# Allegro board 1140022-KU060_PCIE_FIBER_BOARD_V001_pcb166_20240120_1835_pcb.brd (continued)
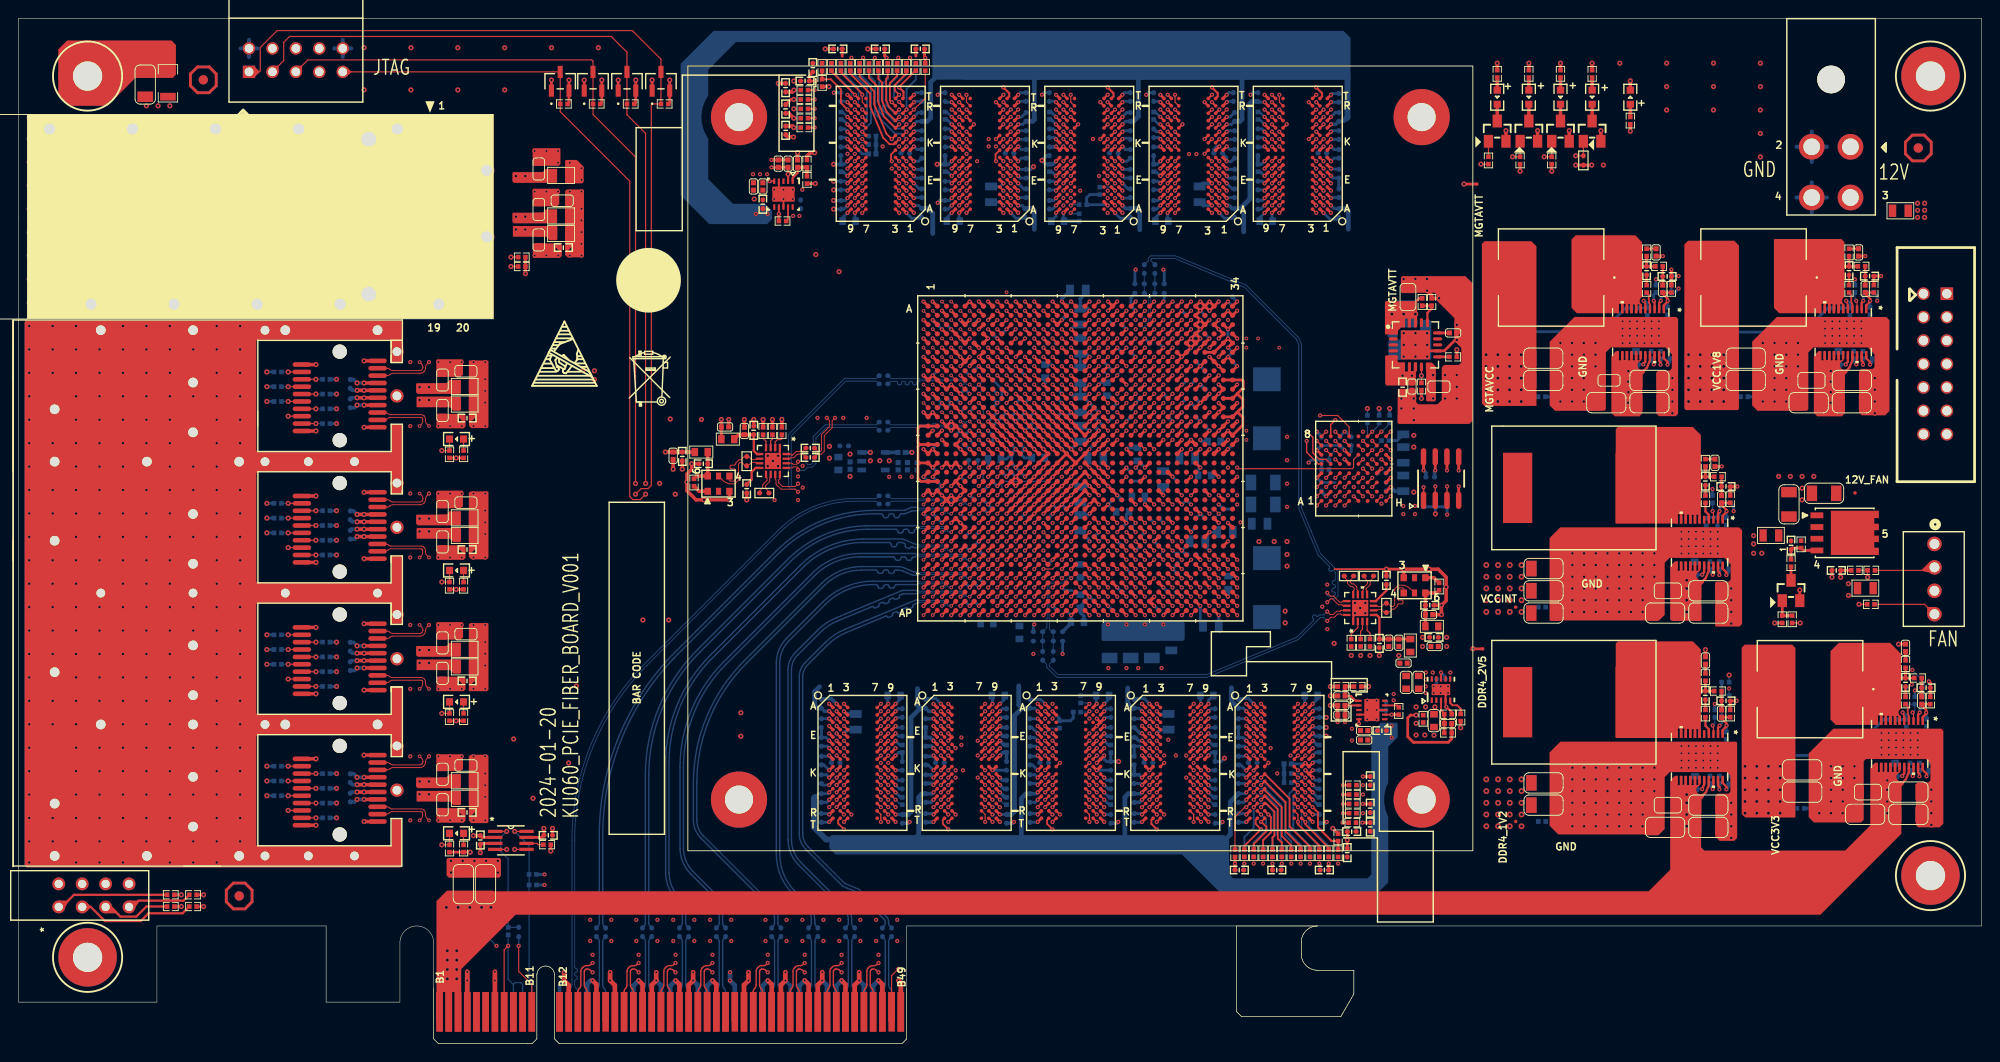
[diagram p0: board, top side]
## Nets (continued)
VCC3V3: C8.1 C9.1 C10.1(CAP2) C11.1(CAP2) C353.1 C354.1(CAP2) C375.1 C376.1(CAP2) C1219.2(CAP1) C1275.1 C1276.1 C1373.1(CAP2) C1374.1 C1375.1 C1392.1 C1421.1(CAP2) C1422.1 C1478.1(CAP2) C1491.1(CAP2) C1534.1(CAP2) C1535.1(CAP2) C1536.1(CAP2) C1537.1(CAP2) C1539.2(CAP1) C1565.1 C1566.1(CAP2) C1571.1 C1572.1(CAP2) C2506.1 C2507.1(CAP2) C2513.1(CAP2) D5.5 D5.6 D5.7 D5.8 J19.1 L4.1 L5.1 L6.1 L12.1 L13.1 L144.2 L150.2 L229.1 L230.1 L231.1 L232.1 L234.2 L235.1 L236.1 L238.1 L239.1 L240.1 R9.1 R24.2 R35.1 R36.1 R163.1 R164.1 R167.1 R168.1 R173.1 R174.1 R175.1 R176.1 R177.1 R178.1 R179.2 R180.1 R181.1 R250.1 R626.1 R902.2 R903.1 R1009.2 R1010.1 R1011.1 R1012.1 R1013.1 R1014.1 R1015.1 R1016.1 R1017.1 R1018.2 R1019.1 R1020.1 R1021.1 R1022.1 R1023.1 R1024.1 R1025.1 R1026.1 R1242.1 R1256.2 R1266.2 R1267.1 R1268.1 R1269.1 R1270.1 R1271.1 R1272.1 R1273.1 R1274.1 TP162.1(PIN1) U1.AF11(VCCO_64_1) U1.AG8(VCCO_64_2) U1.AJ12(VCCO_64_3) U1.AK9(VCCO_64_4) U1.AM13(VCCO_64_5) U1.AN10(VCCO_64_6) U110.10(BIAS) U117.6(SS_CTRL) U117.7(EN) U117.9(IN) U117.10(IN_1) U154.7(VCCB)
VCC12V: C1189.1(CAP2) C1193.1(CAP2) C1194.1(CAP2) C1195.1(CAP2) C1196.1(CAP2) C1197.1(CAP2) C1215.1(CAP2) C1221.1(CAP2) C1222.1(CAP2) C1223.1(CAP2) C1224.1(CAP2) C1241.1(CAP2) C1245.1(CAP2) C1246.1(CAP2) C1247.1(CAP2) C1248.1(CAP2) C1249.1(CAP2) C1251.1(CAP2) C1255.1(CAP2) C1256.1(CAP2) C1257.1(CAP2) C1258.1(CAP2) C1259.1(CAP2) C1261.1(CAP2) C1265.1(CAP2) C1266.1(CAP2) C1267.1(CAP2) C1268.1(CAP2) C1269.1(CAP2) C2502.1(CAP2) C2505.1(CAP2) L48.1 L237.2 R588.1 R701.1 TP175.1(PIN1) U108.12(VIN) U108.13(VIN_1) U108.14(VIN_2) U108.15(VIN_3) U108.16(VIN_4) U108.17(VIN_5) U108.19(VDD) U111.12(VIN) U111.13(VIN_1) U111.14(VIN_2) U111.15(VIN_3) U111.16(VIN_4) U111.17(VIN_5) U111.19(VDD) U114.12(VIN) U114.13(VIN_1) U114.14(VIN_2) U114.15(VIN_3) U114.16(VIN_4) U114.17(VIN_5) U114.19(VDD) U115.12(VIN) U115.13(VIN_1) U115.14(VIN_2) U115.15(VIN_3) U115.16(VIN_4) U115.17(VIN_5) U115.19(VDD) U116.12(VIN) U116.13(VIN_1) U116.14(VIN_2) U116.15(VIN_3) U116.16(VIN_4) U116.17(VIN_5) U116.19(VDD) U249.A2(+12V_4) U249.A3(+12V_5) U249.B1(+12V_1) U249.B2(+12V_2) U249.B3(+12V_3)
VCC12VIN: J59.1(POWER#1) J59.3(POWER#3) L237.1
VCC_1V8_EN: R654.1 U115.2(EN)
VCC_1V8_GOOD: R645.2 R657.2 R849.2 U115.3(PGOOD)
VCC_3V3_EN: R657.1 U116.2(EN)
VCC_3V3_GOOD: R655.2 R661.2 R987.2 U116.3(PGOOD)
156_25M_N: R1284.2 U131.7(IN0_N) X3.5(CLKN)
156_25M_P: R1284.1 U131.6(IN0_P) X3.4(CLKP)
CHA_12V_FAN: C552.1(CAP2) J63.1(P1) Q8.5 Q8.6 Q8.7 Q8.8 TP39.1(PIN1)
CHA_AGND: C1.2(CAP1) C3.2(CAP1) L152.2 U1.U11(GNDADC) U1.V11(VREFN) U1.W12(VREFP)
CHA_BPI_FLASH_A0: TP123.1(PIN1) U1.T24(IO_L16P_T2U_N6_QBC_AD3P_A00_D16) U2.A1
CHA_BPI_FLASH_A1: U1.T25(IO_L16N_T2U_N7_QBC_AD3N_A01_D17) U2.B1(A2)
CHA_BPI_FLASH_A2: U1.T27(IO_L15P_T2L_N4_AD11P_A02_D18_65) U2.C1(A3)
CHA_BPI_FLASH_A3: U1.R27(IO_L15N_T2L_N5_AD11N_A03_D19_65) U2.D1(A4)
CHA_BPI_FLASH_A4: U1.P24(IO_L14P_T2L_N2_GC_A04_D20_65) U2.D2(A5)
CHA_BPI_FLASH_A5: U1.P25(IO_L14N_T2L_N3_GC_A05_D21_65) U2.A2(A6)
CHA_BPI_FLASH_A6: U1.P26(IO_L13P_T2L_N0_GC_QBC_A06_D22_6) U2.C2(A7)
CHA_BPI_FLASH_A7: U1.N26(IO_L13N_T2L_N1_GC_QBC_A07_D23_6) U2.A3(A8)
CHA_BPI_FLASH_A8: U1.N24(IO_L12P_T1U_N10_GC_A08_D24_65) U2.B3(A9)
CHA_BPI_FLASH_A9: U1.M24(IO_L12N_T1U_N11_GC_A09_D25_65) U2.C3(A10)
CHA_BPI_FLASH_A10: U1.M25(IO_L11P_T1U_N8_GC_A10_D26_65) U2.D3(A11)
CHA_BPI_FLASH_A11: U1.M26(IO_L11N_T1U_N9_GC_A11_D27_65) U2.C4(A12)
CHA_BPI_FLASH_A12: U1.L22(IO_L10P_T1U_N6_QBC_AD4P_A12_D28) U2.A5(A13)
CHA_BPI_FLASH_A13: U1.K23(IO_L10N_T1U_N7_QBC_AD4N_A13_D29) U2.B5(A14)
CHA_BPI_FLASH_A14: U1.L25(IO_L9P_T1L_N4_AD12P_A14_D30_65) U2.C5(A15)
CHA_BPI_FLASH_A15: U1.K25(IO_L9N_T1L_N5_AD12N_A15_D31_65) U2.D7(A16)
CHA_BPI_FLASH_A16: U1.L23(IO_L8P_T1L_N2_AD5P_A16_65) U2.D8(A17)
CHA_BPI_FLASH_A17: U1.L24(IO_L8N_T1L_N3_AD5N_A17_65) U2.A7(A18)
CHA_BPI_FLASH_A18: U1.M27(IO_L7P_T1L_N0_QBC_AD13P_A18_65) U2.B7(A19)
CHA_BPI_FLASH_A19: U1.L27(IO_L7N_T1L_N1_QBC_AD13N_A19_65) U2.C7(A20)
CHA_BPI_FLASH_A20: U1.J23(IO_L6P_T0U_N10_AD6P_A20_65) U2.C8(A21)
CHA_BPI_FLASH_A21: U1.H24(IO_L6N_T0U_N11_AD6N_A21_65) U2.A8(A22)
CHA_BPI_FLASH_A22: U1.J26(IO_L5P_T0U_N8_AD14P_A22_65) U2.G1(A23)
CHA_BPI_FLASH_A23: U1.H26(IO_L5N_T0U_N9_AD14N_A23_65) U2.H8(A24)
CHA_BPI_FLASH_A24: U1.J24(IO_L4P_T0U_N6_DBC_AD7P_A24_65) U2.B6(A25)
CHA_BPI_FLASH_A25: U1.J25(IO_L4N_T0U_N7_DBC_AD7N_A25_65) U2.B8(A26)
CHA_BPI_FLASH_A26: U1.K26(IO_L3P_T0L_N4_AD15P_A26_65) U2.H1(A27)
CHA_BPI_FLASH_ADV_B: R28.2 TP134.1(PIN1) U1.N27(IO_T2U_N12_CSI_ADV_B_65) U2.F6(ADV_B)
CHA_BPI_FLASH_CE_B: R26.2 U1.U7(RDWR_FCS_B_0) U2.B4(CE_B)
CHA_BPI_FLASH_CLK: R2.1 TP127.1(PIN1) U2.E6(CLK)
CHA_BPI_FLASH_D0: U1.AC7(D00_MOSI_0) U2.F2(DQ0)
CHA_BPI_FLASH_D1: U1.AB7(D01_DIN_0) U2.E2(DQ1)
CHA_BPI_FLASH_D2: U1.AA7(D02_0) U2.G3(DQ2)
CHA_BPI_FLASH_D3: U1.Y7(D03_0) U2.E4(DQ3)
CHA_BPI_FLASH_D4: TP124.1(PIN1) U1.M20(IO_L22P_T3U_N6_DBC_AD0P_D04_65) U2.E5(DQ4)
CHA_BPI_FLASH_D5: U1.L20(IO_L22N_T3U_N7_DBC_AD0N_D05_65) U2.G5(DQ5)
CHA_BPI_FLASH_D6: U1.R21(IO_L21P_T3L_N4_AD8P_D06_65) U2.G6(DQ6)
CHA_BPI_FLASH_D7: U1.R22(IO_L21N_T3L_N5_AD8N_D07_65) U2.H7(DQ7)
CHA_BPI_FLASH_D8: U1.P20(IO_L20P_T3L_N2_AD1P_D08_65) U2.E1(DQ8)
CHA_BPI_FLASH_D9: U1.P21(IO_L20N_T3L_N3_AD1N_D09_65) U2.E3(DQ9)
CHA_BPI_FLASH_D10: U1.N22(IO_L19P_T3L_N0_DBC_AD9P_D10_65) U2.F3(DQ10)
CHA_BPI_FLASH_D11: U1.M22(IO_L19N_T3L_N1_DBC_AD9N_D11_65) U2.F4(DQ11)
CHA_BPI_FLASH_D12: U1.R23(IO_L18P_T2U_N10_AD2P_D12_65) U2.F5(DQ12)
CHA_BPI_FLASH_D13: U1.P23(IO_L18N_T2U_N11_AD2N_D13_65) U2.H5(DQ13)
CHA_BPI_FLASH_D14: U1.R25(IO_L17P_T2U_N8_AD10P_D14_65) U2.G7(DQ14)
CHA_BPI_FLASH_D15: U1.R26(IO_L17N_T2U_N9_AD10N_D15_65) U2.E7(DQ15)
CHA_BPI_FLASH_OE_B: R27.2 TP125.1(PIN1) U1.G25(IO_L2P_T0L_N2_FOE_B_65) U2.F8(OE_B)
CHA_BPI_FLASH_RST_B: R1.1 U2.D4(RST_B)
CHA_BPI_FLASH_WAIT: R31.2 U1.H23(IO_T0U_N12_A28_65)
CHA_BPI_FLASH_WE_B: R30.2 TP126.1(PIN1) U1.G26(IO_L2N_T0L_N3_FWE_FCS2_B_65) U2.G8(WE_B)
CHA_DDR4_2V5: C167.1(CAP2) C168.1(CAP2) C193.1(CAP2) C194.1(CAP2) C207.1(CAP2) C208.1(CAP2) C209.1(CAP2) C210.1(CAP2) C241.2(CAP1) C253.1(CAP2) C254.1(CAP2) C258.1(CAP2) C259.1(CAP2) C284.1(CAP2) C285.1(CAP2) C298.1(CAP2) C299.1(CAP2) C300.1(CAP2) C301.1(CAP2) C332.2(CAP1) C344.1(CAP2) C345.1(CAP2) C1277.2(CAP1) C1278.1 C1279.1 R99.1 R146.1 R664.1 R667.1 R843.1 TP105.1(PIN1) U3.B1(VPP1) U3.R9(VPP2) U4.B1(VPP1) U4.R9(VPP2) U5.B1(VPP1) U5.R9(VPP2) U6.B1(VPP1) U6.R9(VPP2) U7.B1(VPP1) U7.R9(VPP2) U8.7(EN) U8.10(VIN) U9.B1(VPP1) U9.R9(VPP2) U10.B1(VPP1) U10.R9(VPP2) U11.B1(VPP1) U11.R9(VPP2) U12.B1(VPP1) U12.R9(VPP2) U13.B1(VPP1) U13.R9(VPP2) U14.7(EN) U14.10(VIN) U117.1(OUT) U117.2(OUT_1)
CHA_DDR4_C1_VREF: C181.1(CAP2) C195.1(CAP2) C211.1(CAP2) C212.1(CAP2) C255.1(CAP2) C256.1(CAP2) U3.M1(VREFCA) U4.M1(VREFCA) U5.M1(VREFCA) U6.M1(VREFCA) U7.M1(VREFCA) U8.6(REFOUT)
CHA_DDR4_C1_VTT: C236.1(CAP2) C237.1(CAP2) C238.1(CAP2) C239.1(CAP2) C240.1(CAP2) C242.1(CAP2) C244.1(CAP2) C245.1(CAP2) C246.1(CAP2) C247.1(CAP2) C248.1(CAP2) C249.1 C250.1 R80.1 R83.2 R84.2 R85.2 R86.2 R87.2 R88.2 R89.2 R90.2 R91.2 R92.2 R93.2 R94.2 R95.2 R96.2 R97.2 R98.2 R100.2 R102.2 R104.2 R105.2 R106.2 R107.2 R108.2 R110.2 R112.2 U8.3(VO) U8.5(VOSEN)
CHA_DDR4_C2_VREF: C272.1(CAP2) C286.1(CAP2) C302.1(CAP2) C303.1(CAP2) C346.1(CAP2) C347.1(CAP2) U9.M1(VREFCA) U10.M1(VREFCA) U11.M1(VREFCA) U12.M1(VREFCA) U13.M1(VREFCA) U14.6(REFOUT)
CHA_DDR4_C2_VTT: C327.1(CAP2) C328.1(CAP2) C329.1(CAP2) C330.1(CAP2) C331.1(CAP2) C333.1(CAP2) C335.1(CAP2) C336.1(CAP2) C337.1(CAP2) C338.1(CAP2) C339.1(CAP2) C340.1 C341.1 R126.1 R129.2 R130.2 R131.2 R132.2 R133.2 R134.2 R135.2 R136.2 R137.2 R138.2 R139.2 R140.2 R141.2 R142.2 R143.2 R144.2 R147.2 R148.2 R149.2 R151.2 R152.2 R153.2 R154.2 R156.2 R158.2 U14.3(VO) U14.5(VOSEN)
CHA_DDR4_CLK1_N_200M: C1378.2(CAP1) R49.1 R51.1 R53.2 TP131.1(PIN1) U1.AK16(IO_L12N_T1U_N11_GC_45)
CHA_DDR4_CLK1_P_200M: C1379.2(CAP1) R49.2 R50.1 R52.2 TP130.1(PIN1) U1.AK17(IO_L12P_T1U_N10_GC_45)
CHA_DDR4_CLK2_N_200M: C1380.2(CAP1) R60.1 R62.1 R64.2 U1.C24(IO_L12N_T1U_N11_GC_67)
CHA_DDR4_CLK2_P_200M: C1382.2(CAP1) R60.2 R61.1 R63.2 U1.D24(IO_L12P_T1U_N10_GC_67)
CHA_DEBUG_LED0: Q2.1(GATE) R38.2 U1.Y22(IO_T1U_N12_47)
CHA_DEBUG_LED1: Q3.1(GATE) R39.2 U1.U29(IO_T3U_N12_47)
CHA_FAN_FG: R250.2 R251.1 U1.AL8(IO_L24N_T3U_N11_64)
CHA_FAN_PWM: R778.1 U1.AK8(IO_L24P_T3U_N10_64)
CHA_FAN_PWREN: R245.2 U1.AJ8(IO_L23N_T3U_N9_64)
CHA_FPGA_CFGBVS: R6.1 U1.W7(CFGBVS_0)
CHA_FPGA_DDR4_C1_A0: R83.1 U1.AP15(IO_L6N_T0U_N11_AD6N_45) U3.P3(A0) U4.P3(A0) U5.P3(A0) U6.P3(A0) U7.P3(A0)
CHA_FPGA_DDR4_C1_A1: R84.1 U1.AP18(IO_L2N_T0L_N3_45) U3.P7(A1) U4.P7(A1) U5.P7(A1) U6.P7(A1) U7.P7(A1)
CHA_FPGA_DDR4_C1_A2: R85.1 U1.AN16(IO_L3N_T0L_N5_AD15N_45) U3.R3(A2) U4.R3(A2) U5.R3(A2) U6.R3(A2) U7.R3(A2)
CHA_FPGA_DDR4_C1_A3: R86.1 U1.AP16(IO_L6P_T0U_N10_AD6P_45) U3.N7(A3) U4.N7(A3) U5.N7(A3) U6.N7(A3) U7.N7(A3)
CHA_FPGA_DDR4_C1_A4: R87.1 U1.AJ14(IO_L16N_T2U_N7_QBC_AD3N_45) U3.N3(A4) U4.N3(A4) U5.N3(A4) U6.N3(A4) U7.N3(A4)
CHA_FPGA_DDR4_C1_A5: R88.1 U1.AN18(IO_L4P_T0U_N6_DBC_AD7P_45) U3.P8(A5) U4.P8(A5) U5.P8(A5) U6.P8(A5) U7.P8(A5)
CHA_FPGA_DDR4_C1_A6: R89.1 U1.AP14(IO_L1N_T0L_N1_DBC_45) U3.P2(A6) U4.P2(A6) U5.P2(A6) U6.P2(A6) U7.P2(A6)
CHA_FPGA_DDR4_C1_A7: R90.1 U1.AN19(IO_L2P_T0L_N2_45) U3.R8(A7) U4.R8(A7) U5.R8(A7) U6.R8(A7) U7.R8(A7)
CHA_FPGA_DDR4_C1_A8: R91.1 U1.AN14(IO_L1P_T0L_N0_DBC_45) U3.R2(A8) U4.R2(A8) U5.R2(A8) U6.R2(A8) U7.R2(A8)
CHA_FPGA_DDR4_C1_A9: R92.1 U1.AL19(IO_L8P_T1L_N2_AD5P_45) U3.R7(A9) U4.R7(A9) U5.R7(A9) U6.R7(A9) U7.R7(A9)
CHA_FPGA_DDR4_C1_A10: R93.1 U1.AK15(IO_L9P_T1L_N4_AD12P_45) U3.M3(A10/AP) U4.M3(A10/AP) U5.M3(A10/AP) U6.M3(A10/AP) U7.M3(A10/AP)
CHA_FPGA_DDR4_C1_A11: R94.1 U1.AH16(IO_L14P_T2L_N2_GC_45) U3.T2(A11) U4.T2(A11) U5.T2(A11) U6.T2(A11) U7.T2(A11)
CHA_FPGA_DDR4_C1_A12: R95.1 U1.AM17(IO_L3P_T0L_N4_AD15P_45) U3.M7(A12/BC_N) U4.M7(A12/BC_N) U5.M7(A12/BC_N) U6.M7(A12/BC_N) U7.M7(A12/BC_N)
CHA_FPGA_DDR4_C1_A13: R96.1 U1.AM19(IO_L8N_T1L_N3_AD5N_45) U3.T8(A13) U4.T8(A13) U5.T8(A13) U6.T8(A13) U7.T8(A13)
CHA_FPGA_DDR4_C1_ACT: R110.1 U1.AM16(IO_L5P_T0U_N8_AD14P_45) U3.L3(ACT_B) U4.L3(ACT_B) U5.L3(ACT_B) U6.L3(ACT_B) U7.L3(ACT_B)
CHA_FPGA_DDR4_C1_ALERT: R80.2 R81.2 U1.AG16(IO_L15N_T2L_N5_AD11N_45) U3.P9(ALERT_N) U4.P9(ALERT_N) U5.P9(ALERT_N) U6.P9(ALERT_N) U7.P9(ALERT_N)
CHA_FPGA_DDR4_C1_BA0: R97.1 U1.AG17(IO_L15P_T2L_N4_AD11P_45) U3.N2(BA0) U4.N2(BA0) U5.N2(BA0) U6.N2(BA0) U7.N2(BA0)
CHA_FPGA_DDR4_C1_BA1: R98.1 U1.AN17(IO_L4N_T0U_N7_DBC_AD7N_45) U3.N8(BA1) U4.N8(BA1) U5.N8(BA1) U6.N8(BA1) U7.N8(BA1)
CHA_FPGA_DDR4_C1_BG0: R100.1 U1.AL15(IO_L9N_T1L_N5_AD12N_45) U3.M2(BG0) U4.M2(BG0) U5.M2(BG0) U6.M2(BG0) U7.M2(BG0)
CHA_FPGA_DDR4_C1_CAS: R105.1 U1.AJ19(IO_T1U_N12_45) U3.M8(CAS_N/A15) U4.M8(CAS_N/A15) U5.M8(CAS_N/A15) U6.M8(CAS_N/A15) U7.M8(CAS_N/A15)
CHA_FPGA_DDR4_C1_CK_N: R114.1 U1.AL17(IO_L10N_T1U_N7_QBC_AD4N_45) U3.K8(CK_C) U4.K8(CK_C) U5.K8(CK_C) U6.K8(CK_C) U7.K8(CK_C)
CHA_FPGA_DDR4_C1_CK_P: R113.1 U1.AL18(IO_L10P_T1U_N6_QBC_AD4P_45) U3.K7(CK_T) U4.K7(CK_T) U5.K7(CK_T) U6.K7(CK_T) U7.K7(CK_T)
CHA_FPGA_DDR4_C1_CKE: R108.1 U1.AM14(IO_L7N_T1L_N1_QBC_AD13N_45) U3.K2(CKE) U4.K2(CKE) U5.K2(CKE) U6.K2(CKE) U7.K2(CKE)
CHA_FPGA_DDR4_C1_CS: R102.1 U1.AJ18(IO_L11P_T1U_N8_GC_45) U3.L7(CS_B) U4.L7(CS_B) U5.L7(CS_B) U6.L7(CS_B) U7.L7(CS_B)
CHA_FPGA_DDR4_C1_D0: U1.AF20(IO_L2P_T0L_N2_44) U3.G2(DQ0)
CHA_FPGA_DDR4_C1_D1: U1.AG22(IO_L6N_T0U_N11_AD6N_44) U3.F7(DQ1)
CHA_FPGA_DDR4_C1_D2: U1.AE20(IO_L3N_T0L_N5_AD15N_44) U3.H3(DQ2)
CHA_FPGA_DDR4_C1_D3: U1.AF22(IO_L6P_T0U_N10_AD6P_44) U3.H7(DQ3)
CHA_FPGA_DDR4_C1_D4: U1.AE22(IO_L5P_T0U_N8_AD14P_44) U3.H2(DQ4)
CHA_FPGA_DDR4_C1_D5: U1.AE23(IO_L5N_T0U_N9_AD14N_44) U3.H8(DQ5)
CHA_FPGA_DDR4_C1_D6: U1.AD20(IO_L3P_T0L_N4_AD15P_44) U3.J3(DQ6)
CHA_FPGA_DDR4_C1_D7: U1.AG20(IO_L2N_T0L_N3_44) U3.J7(DQ7)
CHA_FPGA_DDR4_C1_D8: U1.AG24(IO_L9P_T1L_N4_AD12P_44) U3.A3(DQ8)
CHA_FPGA_DDR4_C1_D9: U1.AJ24(IO_L11N_T1U_N9_GC_44) U3.B8(DQ9)
CHA_FPGA_DDR4_C1_D10: U1.AH22(IO_L12P_T1U_N10_GC_44) U3.C3(DQ10)
CHA_FPGA_DDR4_C1_D11: U1.AJ23(IO_L11P_T1U_N8_GC_44) U3.C7(DQ11)
CHA_FPGA_DDR4_C1_D12: U1.AH23(IO_L12N_T1U_N11_GC_44) U3.C2(DQ12)
CHA_FPGA_DDR4_C1_D13: U1.AG25(IO_L9N_T1L_N5_AD12N_44) U3.C8(DQ13)
CHA_FPGA_DDR4_C1_D14: U1.AF23(IO_L8P_T1L_N2_AD5P_44) U3.D3(DQ14)
CHA_FPGA_DDR4_C1_D15: TP7.1(PIN1) U1.AF24(IO_L8N_T1L_N3_AD5N_44) U3.D7(DQ15)
CHA_FPGA_DDR4_C1_D16: U1.AK22(IO_L14P_T2L_N2_GC_44) U4.G2(DQ0)
CHA_FPGA_DDR4_C1_D17: U1.AL20(IO_L15P_T2L_N4_AD11P_44) U4.F7(DQ1)
CHA_FPGA_DDR4_C1_D18: U1.AM20(IO_L15N_T2L_N5_AD11N_44) U4.H3(DQ2)
CHA_FPGA_DDR4_C1_D19: U1.AK23(IO_L14N_T2L_N3_GC_44) U4.H7(DQ3)
CHA_FPGA_DDR4_C1_D20: U1.AL22(IO_L17P_T2U_N8_AD10P_44) U4.H2(DQ4)
CHA_FPGA_DDR4_C1_D21: U1.AL23(IO_L17N_T2U_N9_AD10N_44) U4.H8(DQ5)
CHA_FPGA_DDR4_C1_D22: U1.AL24(IO_L18P_T2U_N10_AD2P_44) U4.J3(DQ6)
CHA_FPGA_DDR4_C1_D23: U1.AL25(IO_L18N_T2U_N11_AD2N_44) U4.J7(DQ7)
CHA_FPGA_DDR4_C1_D24: U1.AM22(IO_L20P_T3L_N2_AD1P_44) U4.A3(DQ8)
CHA_FPGA_DDR4_C1_D25: U1.AN23(IO_L24P_T3U_N10_44) U4.B8(DQ9)
CHA_FPGA_DDR4_C1_D26: U1.AN22(IO_L20N_T3L_N3_AD1N_44) U4.C3(DQ10)
CHA_FPGA_DDR4_C1_D27: U1.AP23(IO_L24N_T3U_N11_44) U4.C7(DQ11)
CHA_FPGA_DDR4_C1_D28: U1.AM24(IO_L21P_T3L_N4_AD8P_44) U4.C2(DQ12)
CHA_FPGA_DDR4_C1_D29: U1.AN24(IO_L21N_T3L_N5_AD8N_44) U4.C8(DQ13)
CHA_FPGA_DDR4_C1_D30: U1.AP25(IO_L23N_T3U_N9_44) U4.D3(DQ14)
CHA_FPGA_DDR4_C1_D31: TP10.1(PIN1) U1.AP24(IO_L23P_T3U_N8_44) U4.D7(DQ15)
CHA_FPGA_DDR4_C1_D32: U1.AM27(IO_L2N_T0L_N3_46) U5.G2(DQ0)
CHA_FPGA_DDR4_C1_D33: U1.AK28(IO_L6N_T0U_N11_AD6N_46) U5.F7(DQ1)
CHA_FPGA_DDR4_C1_D34: U1.AK27(IO_L3N_T0L_N5_AD15N_46) U5.H3(DQ2)
CHA_FPGA_DDR4_C1_D35: U1.AJ28(IO_L6P_T0U_N10_AD6P_46) U5.H7(DQ3)
CHA_FPGA_DDR4_C1_D36: U1.AK26(IO_L3P_T0L_N4_AD15P_46) U5.H2(DQ4)
CHA_FPGA_DDR4_C1_D37: U1.AH28(IO_L5N_T0U_N9_AD14N_46) U5.H8(DQ5)
CHA_FPGA_DDR4_C1_D38: U1.AM26(IO_L2P_T0L_N2_46) U5.J3(DQ6)
CHA_FPGA_DDR4_C1_D39: U1.AH27(IO_L5P_T0U_N8_AD14P_46) U5.J7(DQ7)
CHA_FPGA_DDR4_C1_D40: U1.AL29(IO_L11P_T1U_N8_GC_46) U5.A3(DQ8)
CHA_FPGA_DDR4_C1_D41: U1.AM30(IO_L12N_T1U_N11_GC_46) U5.B8(DQ9)
CHA_FPGA_DDR4_C1_D42: U1.AM29(IO_L11N_T1U_N9_GC_46) U5.C3(DQ10)
CHA_FPGA_DDR4_C1_D43: U1.AP29(IO_L8N_T1L_N3_AD5N_46) U5.C7(DQ11)
CHA_FPGA_DDR4_C1_D44: U1.AL30(IO_L12P_T1U_N10_GC_46) U5.C2(DQ12)
CHA_FPGA_DDR4_C1_D45: U1.AN28(IO_L9N_T1L_N5_AD12N_46) U5.C8(DQ13)
CHA_FPGA_DDR4_C1_D46: U1.AN27(IO_L9P_T1L_N4_AD12P_46) U5.D3(DQ14)
CHA_FPGA_DDR4_C1_D47: TP14.1(PIN1) U1.AP28(IO_L8P_T1L_N2_AD5P_46) U5.D7(DQ15)
CHA_FPGA_DDR4_C1_D48: U1.AK32(IO_L14N_T2L_N3_GC_46) U7.G2(DQ0)
CHA_FPGA_DDR4_C1_D49: U1.AH31(IO_L17P_T2U_N8_AD10P_46) U7.F7(DQ1)
CHA_FPGA_DDR4_C1_D50: U1.AJ31(IO_L15N_T2L_N5_AD11N_46) U7.H3(DQ2)
CHA_FPGA_DDR4_C1_D51: U1.AH34(IO_L18P_T2U_N10_AD2P_46) U7.H7(DQ3)
CHA_FPGA_DDR4_C1_D52: U1.AK31(IO_L14P_T2L_N2_GC_46) U7.H2(DQ4)
CHA_FPGA_DDR4_C1_D53: U1.AH32(IO_L17N_T2U_N9_AD10N_46) U7.H8(DQ5)
CHA_FPGA_DDR4_C1_D54: U1.AJ30(IO_L15P_T2L_N4_AD11P_46) U7.J3(DQ6)
CHA_FPGA_DDR4_C1_D55: U1.AJ34(IO_L18N_T2U_N11_AD2N_46) U7.J7(DQ7)
CHA_FPGA_DDR4_C1_D56: U1.AN31(IO_L21P_T3L_N4_AD8P_46) U7.A3(DQ8)
CHA_FPGA_DDR4_C1_D57: U1.AM32(IO_L23P_T3U_N8_46) U7.B8(DQ9)
CHA_FPGA_DDR4_C1_D58: U1.AN32(IO_L23N_T3U_N9_46) U7.C3(DQ10)
CHA_FPGA_DDR4_C1_D59: U1.AN33(IO_L20P_T3L_N2_AD1P_46) U7.C7(DQ11)
CHA_FPGA_DDR4_C1_D60: U1.AP31(IO_L21N_T3L_N5_AD8N_46) U7.C2(DQ12)
CHA_FPGA_DDR4_C1_D61: U1.AM34(IO_L24N_T3U_N11_46) U7.C8(DQ13)
CHA_FPGA_DDR4_C1_D62: U1.AP33(IO_L20N_T3L_N3_AD1N_46) U7.D3(DQ14)
CHA_FPGA_DDR4_C1_D63: TP19.1(PIN1) U1.AL34(IO_L24P_T3U_N10_46) U7.D7(DQ15)
CHA_FPGA_DDR4_C1_D64: U1.AF17(IO_L23N_T3U_N9_45) U6.G2(DQ0)
CHA_FPGA_DDR4_C1_D65: U1.AE18(IO_L21P_T3L_N4_AD8P_45) U6.F7(DQ1)
CHA_FPGA_DDR4_C1_D66: U1.AF18(IO_L21N_T3L_N5_AD8N_45) U6.H3(DQ2)
CHA_FPGA_DDR4_C1_D67: U1.AF14(IO_L20N_T3L_N3_AD1N_45) U6.H7(DQ3)
CHA_FPGA_DDR4_C1_D68: U1.AF15(IO_L20P_T3L_N2_AD1P_45) U6.H2(DQ4)
CHA_FPGA_DDR4_C1_D69: U1.AD16(IO_L24P_T3U_N10_45) U6.H8(DQ5)
CHA_FPGA_DDR4_C1_D70: U1.AE17(IO_L23P_T3U_N8_45) U6.J3(DQ6)
CHA_FPGA_DDR4_C1_D71: TP13.1(PIN1) U1.AD15(IO_L24N_T3U_N11_45) U6.J7(DQ7)
CHA_FPGA_DDR4_C1_DM0: U1.AD21(IO_L1P_T0L_N0_DBC_44) U3.E7(LDM_N/LDBI_N)
CHA_FPGA_DDR4_C1_DM1: U1.AE25(IO_L7P_T1L_N0_QBC_AD13P_44) U3.E2(UDM_N/UDBI_N)
CHA_FPGA_DDR4_C1_DM2: U1.AJ21(IO_L13P_T2L_N0_GC_QBC_44) U4.E7(LDM_N/LDBI_N)
CHA_FPGA_DDR4_C1_DM3: U1.AM21(IO_L19P_T3L_N0_DBC_AD9P_44) U4.E2(UDM_N/UDBI_N)
CHA_FPGA_DDR4_C1_DM4: U1.AH26(IO_L1P_T0L_N0_DBC_46) U5.E7(LDM_N/LDBI_N)
CHA_FPGA_DDR4_C1_DM5: U1.AN26(IO_L7P_T1L_N0_QBC_AD13P_46) U5.E2(UDM_N/UDBI_N)
CHA_FPGA_DDR4_C1_DM6: U1.AJ29(IO_L13P_T2L_N0_GC_QBC_46) U7.E7(LDM_N/LDBI_N)
CHA_FPGA_DDR4_C1_DM7: U1.AL32(IO_L19P_T3L_N0_DBC_AD9P_46) U7.E2(UDM_N/UDBI_N)
CHA_FPGA_DDR4_C1_DM8: U1.AD19(IO_L19P_T3L_N0_DBC_AD9P_45) U6.E7(LDM_N/LDBI_N)
CHA_FPGA_DDR4_C1_DQS0_N: U1.AH21(IO_L4N_T0U_N7_DBC_AD7N_44) U3.F3(LDQS_C)
CHA_FPGA_DDR4_C1_DQS0_P: U1.AG21(IO_L4P_T0U_N6_DBC_AD7P_44) U3.G3(LDQS_T)
CHA_FPGA_DDR4_C1_DQS1_N: TP9.1(PIN1) U1.AJ25(IO_L10N_T1U_N7_QBC_AD4N_44) U3.A7(UDQS_C)
CHA_FPGA_DDR4_C1_DQS1_P: TP8.1(PIN1) U1.AH24(IO_L10P_T1U_N6_QBC_AD4P_44) U3.B7(UDQS_T)
CHA_FPGA_DDR4_C1_DQS2_N: U1.AK20(IO_L16N_T2U_N7_QBC_AD3N_44) U4.F3(LDQS_C)
CHA_FPGA_DDR4_C1_DQS2_P: U1.AJ20(IO_L16P_T2U_N6_QBC_AD3P_44) U4.G3(LDQS_T)
CHA_FPGA_DDR4_C1_DQS3_N: TP12.1(PIN1) U1.AP21(IO_L22N_T3U_N7_DBC_AD0N_44) U4.A7(UDQS_C)
CHA_FPGA_DDR4_C1_DQS3_P: TP11.1(PIN1) U1.AP20(IO_L22P_T3U_N6_DBC_AD0P_44) U4.B7(UDQS_T)
CHA_FPGA_DDR4_C1_DQS4_N: U1.AL28(IO_L4N_T0U_N7_DBC_AD7N_46) U5.F3(LDQS_C)
CHA_FPGA_DDR4_C1_DQS4_P: U1.AL27(IO_L4P_T0U_N6_DBC_AD7P_46) U5.G3(LDQS_T)
CHA_FPGA_DDR4_C1_DQS5_N: TP18.1(PIN1) U1.AP30(IO_L10N_T1U_N7_QBC_AD4N_46) U5.A7(UDQS_C)
CHA_FPGA_DDR4_C1_DQS5_P: TP17.1(PIN1) U1.AN29(IO_L10P_T1U_N6_QBC_AD4P_46) U5.B7(UDQS_T)
CHA_FPGA_DDR4_C1_DQS6_N: U1.AJ33(IO_L16N_T2U_N7_QBC_AD3N_46) U7.F3(LDQS_C)
CHA_FPGA_DDR4_C1_DQS6_P: U1.AH33(IO_L16P_T2U_N6_QBC_AD3P_46) U7.G3(LDQS_T)
CHA_FPGA_DDR4_C1_DQS7_N: TP21.1(PIN1) U1.AP34(IO_L22N_T3U_N7_DBC_AD0N_46) U7.A7(UDQS_C)
CHA_FPGA_DDR4_C1_DQS7_P: TP20.1(PIN1) U1.AN34(IO_L22P_T3U_N6_DBC_AD0P_46) U7.B7(UDQS_T)
CHA_FPGA_DDR4_C1_DQS8_N: TP16.1(PIN1) U1.AE15(IO_L22N_T3U_N7_DBC_AD0N_45) U6.F3(LDQS_C)
CHA_FPGA_DDR4_C1_DQS8_P: TP15.1(PIN1) U1.AE16(IO_L22P_T3U_N6_DBC_AD0P_45) U6.G3(LDQS_T)
CHA_FPGA_DDR4_C1_ODT: R107.1 U1.AM15(IO_L5N_T0U_N9_AD14N_45) U3.K3(ODT) U4.K3(ODT) U5.K3(ODT) U6.K3(ODT) U7.K3(ODT)
CHA_FPGA_DDR4_C1_PARITY: R112.1 U1.AJ16(IO_L14N_T2L_N3_GC_45) U3.T3(PAR) U4.T3(PAR) U5.T3(PAR) U6.T3(PAR) U7.T3(PAR)
CHA_FPGA_DDR4_C1_RAS: R104.1 U1.AK18(IO_L11N_T1U_N9_GC_45) U3.L8(RAS_N/A16) U4.L8(RAS_N/A16) U5.L8(RAS_N/A16) U6.L8(RAS_N/A16) U7.L8(RAS_N/A16)
CHA_FPGA_DDR4_C1_RESET: R82.2 U1.AJ15(IO_L16P_T2U_N6_QBC_AD3P_45) U3.P1(RESET_N) U4.P1(RESET_N) U5.P1(RESET_N) U6.P1(RESET_N) U7.P1(RESET_N)
CHA_FPGA_DDR4_C1_WE: R106.1 U1.AL14(IO_L7P_T1L_N0_QBC_AD13P_45) U3.L2(WE_N/A14) U4.L2(WE_N/A14) U5.L2(WE_N/A14) U6.L2(WE_N/A14) U7.L2(WE_N/A14)
CHA_FPGA_DDR4_C2_A0: R129.1 U1.E25(IO_L11P_T1U_N8_GC_67) U9.P3(A0) U10.P3(A0) U11.P3(A0) U12.P3(A0) U13.P3(A0)
CHA_FPGA_DDR4_C2_A1: R130.1 U1.B29(IO_L4P_T0U_N6_DBC_AD7P_67) U9.P7(A1) U10.P7(A1) U11.P7(A1) U12.P7(A1) U13.P7(A1)
CHA_FPGA_DDR4_C2_A2: R131.1 U1.E26(IO_L7P_T1L_N0_QBC_AD13P_67) U9.R3(A2) U10.R3(A2) U11.R3(A2) U12.R3(A2) U13.R3(A2)
CHA_FPGA_DDR4_C2_A3: R132.1 U1.A28(IO_L6N_T0U_N11_AD6N_67) U9.N7(A3) U10.N7(A3) U11.N7(A3) U12.N7(A3) U13.N7(A3)
CHA_FPGA_DDR4_C2_A4: R133.1 U1.E23(IO_L14N_T2L_N3_GC_67) U9.N3(A4) U10.N3(A4) U11.N3(A4) U12.N3(A4) U13.N3(A4)
CHA_FPGA_DDR4_C2_A5: R134.1 U1.D25(IO_L11N_T1U_N9_GC_67) U9.P8(A5) U10.P8(A5) U11.P8(A5) U12.P8(A5) U13.P8(A5)
CHA_FPGA_DDR4_C2_A6: R135.1 U1.D28(IO_L5P_T0U_N8_AD14P_67) U9.P2(A6) U10.P2(A6) U11.P2(A6) U12.P2(A6) U13.P2(A6)
CHA_FPGA_DDR4_C2_A7: R136.1 U1.D29(IO_L3N_T0L_N5_AD15N_67) U9.R8(A7) U10.R8(A7) U11.R8(A7) U12.R8(A7) U13.R8(A7)
CHA_FPGA_DDR4_C2_A8: R137.1 U1.D26(IO_L7N_T1L_N1_QBC_AD13N_67) U9.R2(A8) U10.R2(A8) U11.R2(A8) U12.R2(A8) U13.R2(A8)
CHA_FPGA_DDR4_C2_A9: R138.1 U1.A29(IO_L4N_T0U_N7_DBC_AD7N_67) U9.R7(A9) U10.R7(A9) U11.R7(A9) U12.R7(A9) U13.R7(A9)
CHA_FPGA_DDR4_C2_A10: R139.1 U1.A23(IO_T1U_N12_67) U9.M3(A10/AP) U10.M3(A10/AP) U11.M3(A10/AP) U12.M3(A10/AP) U13.M3(A10/AP)
CHA_FPGA_DDR4_C2_A11: R140.1 U1.E27(IO_L1N_T0L_N1_DBC_67) U9.T2(A11) U10.T2(A11) U11.T2(A11) U12.T2(A11) U13.T2(A11)
CHA_FPGA_DDR4_C2_A12: R141.1 U1.A27(IO_L6P_T0U_N10_AD6P_67) U9.M7(A12/BC_N) U10.M7(A12/BC_N) U11.M7(A12/BC_N) U12.M7(A12/BC_N) U13.M7(A12/BC_N)
CHA_FPGA_DDR4_C2_A13: R142.1 U1.E28(IO_L3P_T0L_N4_AD15P_67) U9.T8(A13) U10.T8(A13) U11.T8(A13) U12.T8(A13) U13.T8(A13)
CHA_FPGA_DDR4_C2_ACT: R156.1 U1.B21(IO_L15P_T2L_N4_AD11P_67) U9.L3(ACT_B) U10.L3(ACT_B) U11.L3(ACT_B) U12.L3(ACT_B) U13.L3(ACT_B)
CHA_FPGA_DDR4_C2_ALERT: R126.2 R127.2 U1.C21(IO_L16P_T2U_N6_QBC_AD3P_67) U9.P9(ALERT_N) U10.P9(ALERT_N) U11.P9(ALERT_N) U12.P9(ALERT_N) U13.P9(ALERT_N)
CHA_FPGA_DDR4_C2_BA0: R143.1 U1.C27(IO_L2P_T0L_N2_67) U9.N2(BA0) U10.N2(BA0) U11.N2(BA0) U12.N2(BA0) U13.N2(BA0)
CHA_FPGA_DDR4_C2_BA1: R147.1 U1.C28(IO_L5N_T0U_N9_AD14N_67) U9.N8(BA1) U10.N8(BA1) U11.N8(BA1) U12.N8(BA1) U13.N8(BA1)
CHA_FPGA_DDR4_C2_BG0: R144.1 U1.C26(IO_L9P_T1L_N4_AD12P_67) U9.M2(BG0) U10.M2(BG0) U11.M2(BG0) U12.M2(BG0) U13.M2(BG0)
CHA_FPGA_DDR4_C2_CAS: R151.1 U1.B27(IO_L2N_T0L_N3_67) U9.M8(CAS_N/A15) U10.M8(CAS_N/A15) U11.M8(CAS_N/A15) U12.M8(CAS_N/A15) U13.M8(CAS_N/A15)
CHA_FPGA_DDR4_C2_CK_N: R160.1 U1.A24(IO_L10N_T1U_N7_QBC_AD4N_67) U9.K8(CK_C) U10.K8(CK_C) U11.K8(CK_C) U12.K8(CK_C) U13.K8(CK_C)
CHA_FPGA_DDR4_C2_CK_P: R159.1 U1.B24(IO_L10P_T1U_N6_QBC_AD4P_67) U9.K7(CK_T) U10.K7(CK_T) U11.K7(CK_T) U12.K7(CK_T) U13.K7(CK_T)
CHA_FPGA_DDR4_C2_CKE: R154.1 U1.E22(IO_L14P_T2L_N2_GC_67) U9.K2(CKE) U10.K2(CKE) U11.K2(CKE) U12.K2(CKE) U13.K2(CKE)
CHA_FPGA_DDR4_C2_CS: R148.1 U1.A25(IO_L8N_T1L_N3_AD5N_67) U9.L7(CS_B) U10.L7(CS_B) U11.L7(CS_B) U12.L7(CS_B) U13.L7(CS_B)
CHA_FPGA_DDR4_C2_D0: U1.A19(IO_L2P_T0L_N2_68) U9.G2(DQ0)
CHA_FPGA_DDR4_C2_D1: U1.B15(IO_L3P_T0L_N4_AD15P_68) U9.F7(DQ1)
CHA_FPGA_DDR4_C2_D2: U1.A18(IO_L2N_T0L_N3_68) U9.H3(DQ2)
CHA_FPGA_DDR4_C2_D3: U1.B16(IO_L5N_T0U_N9_AD14N_68) U9.H7(DQ3)
CHA_FPGA_DDR4_C2_D4: U1.C18(IO_L6P_T0U_N10_AD6P_68) U9.H2(DQ4)
CHA_FPGA_DDR4_C2_D5: U1.B17(IO_L5P_T0U_N8_AD14P_68) U9.H8(DQ5)
CHA_FPGA_DDR4_C2_D6: U1.C17(IO_L6N_T0U_N11_AD6N_68) U9.J3(DQ6)
CHA_FPGA_DDR4_C2_D7: U1.A15(IO_L3N_T0L_N5_AD15N_68) U9.J7(DQ7)
CHA_FPGA_DDR4_C2_D8: U1.F15(IO_L9P_T1L_N4_AD12P_68) U9.A3(DQ8)
CHA_FPGA_DDR4_C2_D9: U1.E16(IO_L11P_T1U_N8_GC_68) U9.B8(DQ9)
CHA_FPGA_DDR4_C2_D10: U1.E18(IO_L12P_T1U_N10_GC_68) U9.C3(DQ10)
CHA_FPGA_DDR4_C2_D11: U1.E17(IO_L12N_T1U_N11_GC_68) U9.C7(DQ11)
CHA_FPGA_DDR4_C2_D12: U1.F14(IO_L9N_T1L_N5_AD12N_68) U9.C2(DQ12)
CHA_FPGA_DDR4_C2_D13: U1.D16(IO_L11N_T1U_N9_GC_68) U9.C8(DQ13)
CHA_FPGA_DDR4_C2_D14: U1.E15(IO_L8P_T1L_N2_AD5P_68) U9.D3(DQ14)
CHA_FPGA_DDR4_C2_D15: TP22.1(PIN1) U1.D15(IO_L8N_T1L_N3_AD5N_68) U9.D7(DQ15)
CHA_FPGA_DDR4_C2_D16: U1.H19(IO_L18P_T2U_N10_AD2P_68) U10.G2(DQ0)
CHA_FPGA_DDR4_C2_D17: U1.H16(IO_L17N_T2U_N9_AD10N_68) U10.F7(DQ1)
CHA_FPGA_DDR4_C2_D18: U1.H17(IO_L17P_T2U_N8_AD10P_68) U10.H3(DQ2)
CHA_FPGA_DDR4_C2_D19: U1.F17(IO_L14N_T2L_N3_GC_68) U10.H7(DQ3)
CHA_FPGA_DDR4_C2_D20: U1.H18(IO_L18N_T2U_N11_AD2N_68) U10.H2(DQ4)
CHA_FPGA_DDR4_C2_D21: U1.G15(IO_L15P_T2L_N4_AD11P_68) U10.H8(DQ5)
CHA_FPGA_DDR4_C2_D22: U1.F18(IO_L14P_T2L_N2_GC_68) U10.J3(DQ6)
CHA_FPGA_DDR4_C2_D23: U1.G14(IO_L15N_T2L_N5_AD11N_68) U10.J7(DQ7)
CHA_FPGA_DDR4_C2_D24: U1.L18(IO_L24N_T3U_N11_68) U10.A3(DQ8)
CHA_FPGA_DDR4_C2_D25: U1.K17(IO_L20N_T3L_N3_AD1N_68) U10.B8(DQ9)
CHA_FPGA_DDR4_C2_D26: U1.L19(IO_L24P_T3U_N10_68) U10.C3(DQ10)
CHA_FPGA_DDR4_C2_D27: U1.K16(IO_L23P_T3U_N8_68) U10.C7(DQ11)
CHA_FPGA_DDR4_C2_D28: U1.L15(IO_L21P_T3L_N4_AD8P_68) U10.C2(DQ12)
CHA_FPGA_DDR4_C2_D29: U1.K15(IO_L21N_T3L_N5_AD8N_68) U10.C8(DQ13)
CHA_FPGA_DDR4_C2_D30: U1.K18(IO_L20P_T3L_N2_AD1P_68) U10.D3(DQ14)
CHA_FPGA_DDR4_C2_D31: TP25.1(PIN1) U1.J16(IO_L23N_T3U_N9_68) U10.D7(DQ15)
CHA_FPGA_DDR4_C2_D32: U1.C9(IO_L5N_T0U_N9_AD14N_66) U11.G2(DQ0)
CHA_FPGA_DDR4_C2_D33: U1.D8(IO_L3P_T0L_N4_AD15P_66) U11.F7(DQ1)
CHA_FPGA_DDR4_C2_D34: U1.E10(IO_L6P_T0U_N10_AD6P_66) U11.H3(DQ2)
CHA_FPGA_DDR4_C2_D35: U1.D9(IO_L5P_T0U_N8_AD14P_66) U11.H7(DQ3)
CHA_FPGA_DDR4_C2_D36: U1.D10(IO_L6N_T0U_N11_AD6N_66) U11.H2(DQ4)
CHA_FPGA_DDR4_C2_D37: U1.C8(IO_L3N_T0L_N5_AD15N_66) U11.H8(DQ5)
CHA_FPGA_DDR4_C2_D38: U1.A9(IO_L2N_T0L_N3_66) U11.J3(DQ6)
CHA_FPGA_DDR4_C2_D39: U1.B9(IO_L2P_T0L_N2_66) U11.J7(DQ7)
CHA_FPGA_DDR4_C2_D40: U1.F9(IO_L11N_T1U_N9_GC_66) U11.A3(DQ8)
CHA_FPGA_DDR4_C2_D41: U1.J8(IO_L9P_T1L_N4_AD12P_66) U11.B8(DQ9)
CHA_FPGA_DDR4_C2_D42: U1.G10(IO_L12P_T1U_N10_GC_66) U11.C3(DQ10)
CHA_FPGA_DDR4_C2_D43: U1.H8(IO_L9N_T1L_N5_AD12N_66) U11.C7(DQ11)
CHA_FPGA_DDR4_C2_D44: U1.F10(IO_L12N_T1U_N11_GC_66) U11.C2(DQ12)
CHA_FPGA_DDR4_C2_D45: U1.J9(IO_L8P_T1L_N2_AD5P_66) U11.C8(DQ13)
CHA_FPGA_DDR4_C2_D46: U1.G9(IO_L11P_T1U_N8_GC_66) U11.D3(DQ14)
CHA_FPGA_DDR4_C2_D47: TP29.1(PIN1) U1.H9(IO_L8N_T1L_N3_AD5N_66) U11.D7(DQ15)
CHA_FPGA_DDR4_C2_D48: U1.H13(IO_L18N_T2U_N11_AD2N_66) U13.G2(DQ0)
CHA_FPGA_DDR4_C2_D49: U1.K12(IO_L17N_T2U_N9_AD10N_66) U13.F7(DQ1)
CHA_FPGA_DDR4_C2_D50: U1.G12(IO_L14N_T2L_N3_GC_66) U13.H3(DQ2)
CHA_FPGA_DDR4_C2_D51: U1.K11(IO_L15P_T2L_N4_AD11P_66) U13.H7(DQ3)
CHA_FPGA_DDR4_C2_D52: U1.J13(IO_L18P_T2U_N10_AD2P_66) U13.H2(DQ4)